# Altium PCB TAUV-Interfacer (DESKTOP-2772EO1's conflicted copy 2019-07-07).PcbDoc (part 3 of 3)
Units mil, origin at the board's own origin, x right, y up, seen from the top; angles counter-clockwise.
Board outline 4460 x 2525 mil, 4 copper layers (Component Side, Ground Plane, Power Plane, Solder Side), stack 33.234 mil thick; 225 components, 149 nets, 798 pads, 197 vias.
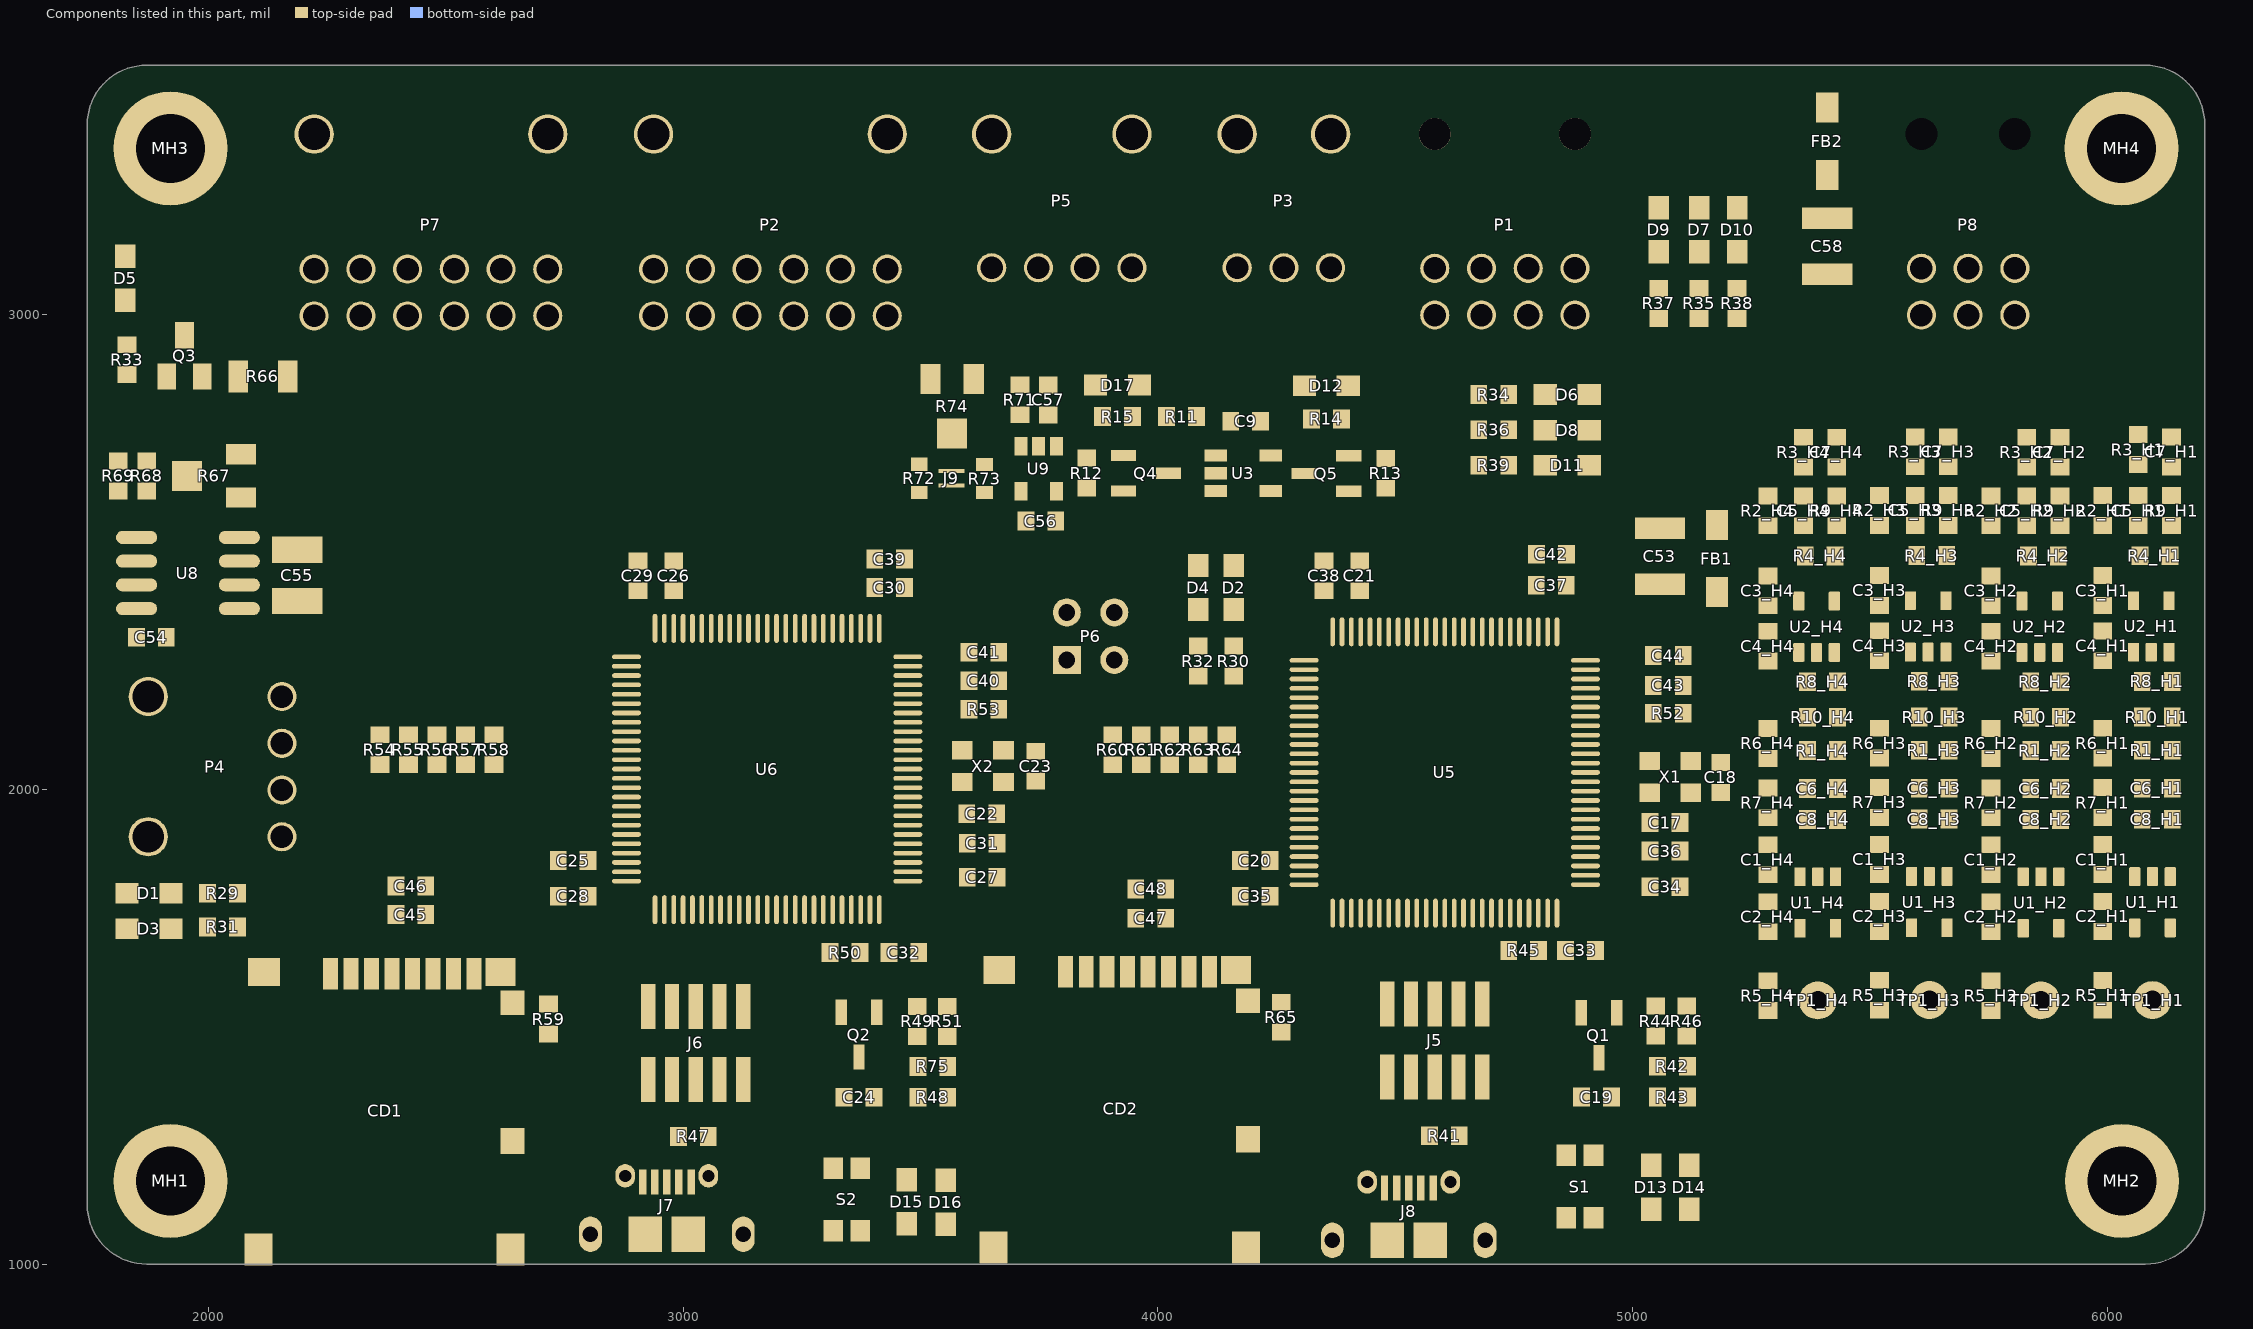
[diagram p5: the components of this part, seen from the top]

## Polygon pours and split planes (outlines as drawn) (continued)
AVCC_3V3 on Power Plane (split plane): 6089.15,3504.6 6098.23,3503.4 6107.18,3501.42 6115.91,3498.67 6124.38,3495.16 6132.5,3490.93 6140.23,3486.01 6147.49,3480.43 6154.25,3474.25 6160.43,3467.49 6166.01,3460.23 6170.93,3452.5 6175.16,3444.37 6178.67,3435.91 6181.42,3427.18 6183.4,3418.23 6184.6,3409.15 6184.97,3400.68 6184.9,3400 6184.9,1125 6184.97,1124.32 6184.6,1115.85 6183.4,1106.77 6181.42,1097.82 6178.67,1089.09 6175.16,1080.63 6170.93,1072.5 6166.01,1064.77 6160.43,1057.51 6154.25,1050.75 6147.49,1044.57 6140.23,1038.99 6132.5,1034.07 6124.37,1029.84 6115.91,1026.33 6107.18,1023.58 6098.23,1021.6 6089.15,1020.4 6080.68,1020.03 6080,1020.1 5234.92,1020.1 5234.92,2090 5234.53,2091.95 5233.43,2093.6 5183.43,2143.6 5181.77,2144.71 5179.82,2145.1 5007.11,2145.1 4980.1,2172.11 4980.1,2587.89 5233.43,2841.22 5233.78,2841.75 5328.6,2936.57 5329.71,2938.23 5330.1,2940.18 5330.1,3504.9 6079.99,3504.9 6080,3504.9 6080.68,3504.97
VCC_5V on Power Plane (split plane): 1870,3504.9 2364.9,3504.9 2364.9,2392.11 2341.4,2368.6 2252.89,2280.1 1765.1,2280.1 1765.1,3400 1765.03,3400.68 1765.4,3409.15 1766.6,3418.23 1768.58,3427.18 1771.33,3435.91 1774.84,3444.38 1779.07,3452.5 1783.99,3460.23 1789.57,3467.49 1795.75,3474.25 1802.51,3480.43 1809.77,3486.01 1817.5,3490.93 1825.62,3495.16 1834.09,3498.67 1842.82,3501.42 1851.77,3503.4 1860.85,3504.6 1869.32,3504.97

## Other copper
Ground Plane (plane layer: these items are gaps in the copper):
  lines w10: 4965,2110 5225,2110 5225,1005 5220,1000 ; 5225,2200 5225,2840 5285,2900 5325,2940 5325,3505 5305,3525
Power Plane (plane layer: these items are gaps in the copper):
  lines w10: 1745,2275 2255,2275 2345,2365 2370,2390 2370,3525 ; 5225,2840.18 5325,2940.18 5325,3525 ; 5229.82,2845 5229.82,2844.82 4975,2590 4975,2170 5005,2140 5179.82,2140 5229.82,2090 5229.82,1000.18 5230,1000

## Silkscreen, mask and mechanical layers (free items; w line width, h text height)
Top Overlay:
  lines w10: 5235,1000 5235,2848.62 5326.38,2940 5326.38,3525
  text "VBat" at 5255,3275 h100 r90
  text "3V3" at 5095,3270 h100 r90
  text "5V" at 5171.5,3250 h100 r90
  text "Servos" at 2310,3215 h120
  text "Jetson" at 3045,3215 h120
  text "DotStar" at 3605,3215 h120
  text "Kill" at 4070,3210 h120
  text "Power" at 4570,3210 h120
  text "Hydro" at 5510,3200 h120
  text "Tom Scherlis / Rev. A" at 6205,2825 h120 r90
  text "Ping" at 4980,2795.75 h80
  text "Search" at 4975,2725 h80
  text "Scan" at 4975,2650 h80
  text "A" at 2095,2380 h500
  text "d" at 2665,2370 h500
  text "Tartan / AUV" at 2375,2305 h120
  text "MCU / Main" at 2965,1928.5 h120
  text "MCU / Acoustics" at 4395,1920 h120
  text "Acoustics" at 5235,1367.6 h120
  text "TAUV / Management / Board" at 5235,1000 h120
Bottom Overlay:
  text "Jetson" at 3380,3215 h120
  text "Servos" at 2640,3210 h120
  text "DotStar" at 3990,3210 h120
  text "Kill" at 4460,3210 h120
  text "Power" at 4900,3210 h120
  text "Hydro" at 5905,3195 h120
  text "c" at 1720,2085 h800
  text "Tartan AUV / Management Board / Tom Scherlis / May 2019 / Rev A" at 4100,1455 h200
  text "A" at 6165,1320 h1800
  text "e" at 1830,1280 h800
  text "k" at 3875,1030 h150

## Text inside footprints (layer, text, board x,y; h text height)
J5: Top Overlay "*" at 4496.22,1309.61 h30 r90
J6: Top Overlay "*" at 2939.65,1304.19 h30 r90
J7: Mechanical 3 "board edge" at 2685.73,1009.29 h7.87
J8: Mechanical 3 "board edge" at 4248.5,996.52 h7.87
P6: Top Overlay "1" at 3728.23,2252.52 h50; Top Overlay "2" at 3708.23,2352.52 h50; Top Overlay "4" at 3968.23,2352.52 h50; Top Overlay "3" at 3968.23,2252.52 h50